# Altium PCB S7.PcbDoc (part 2 of 6)
Units mm, origin at the board's own origin, x right, y up, seen from the top; angles counter-clockwise.
Board outline 50 x 40 mm, 6 copper layers (Component Side, Inner1, Inner2, Inner3, Inner4, Solder Side), stack 0.696 mm thick; 260 components, 298 nets, 1407 pads, 891 vias.
Unrouted connection lines stored in the file: 262.
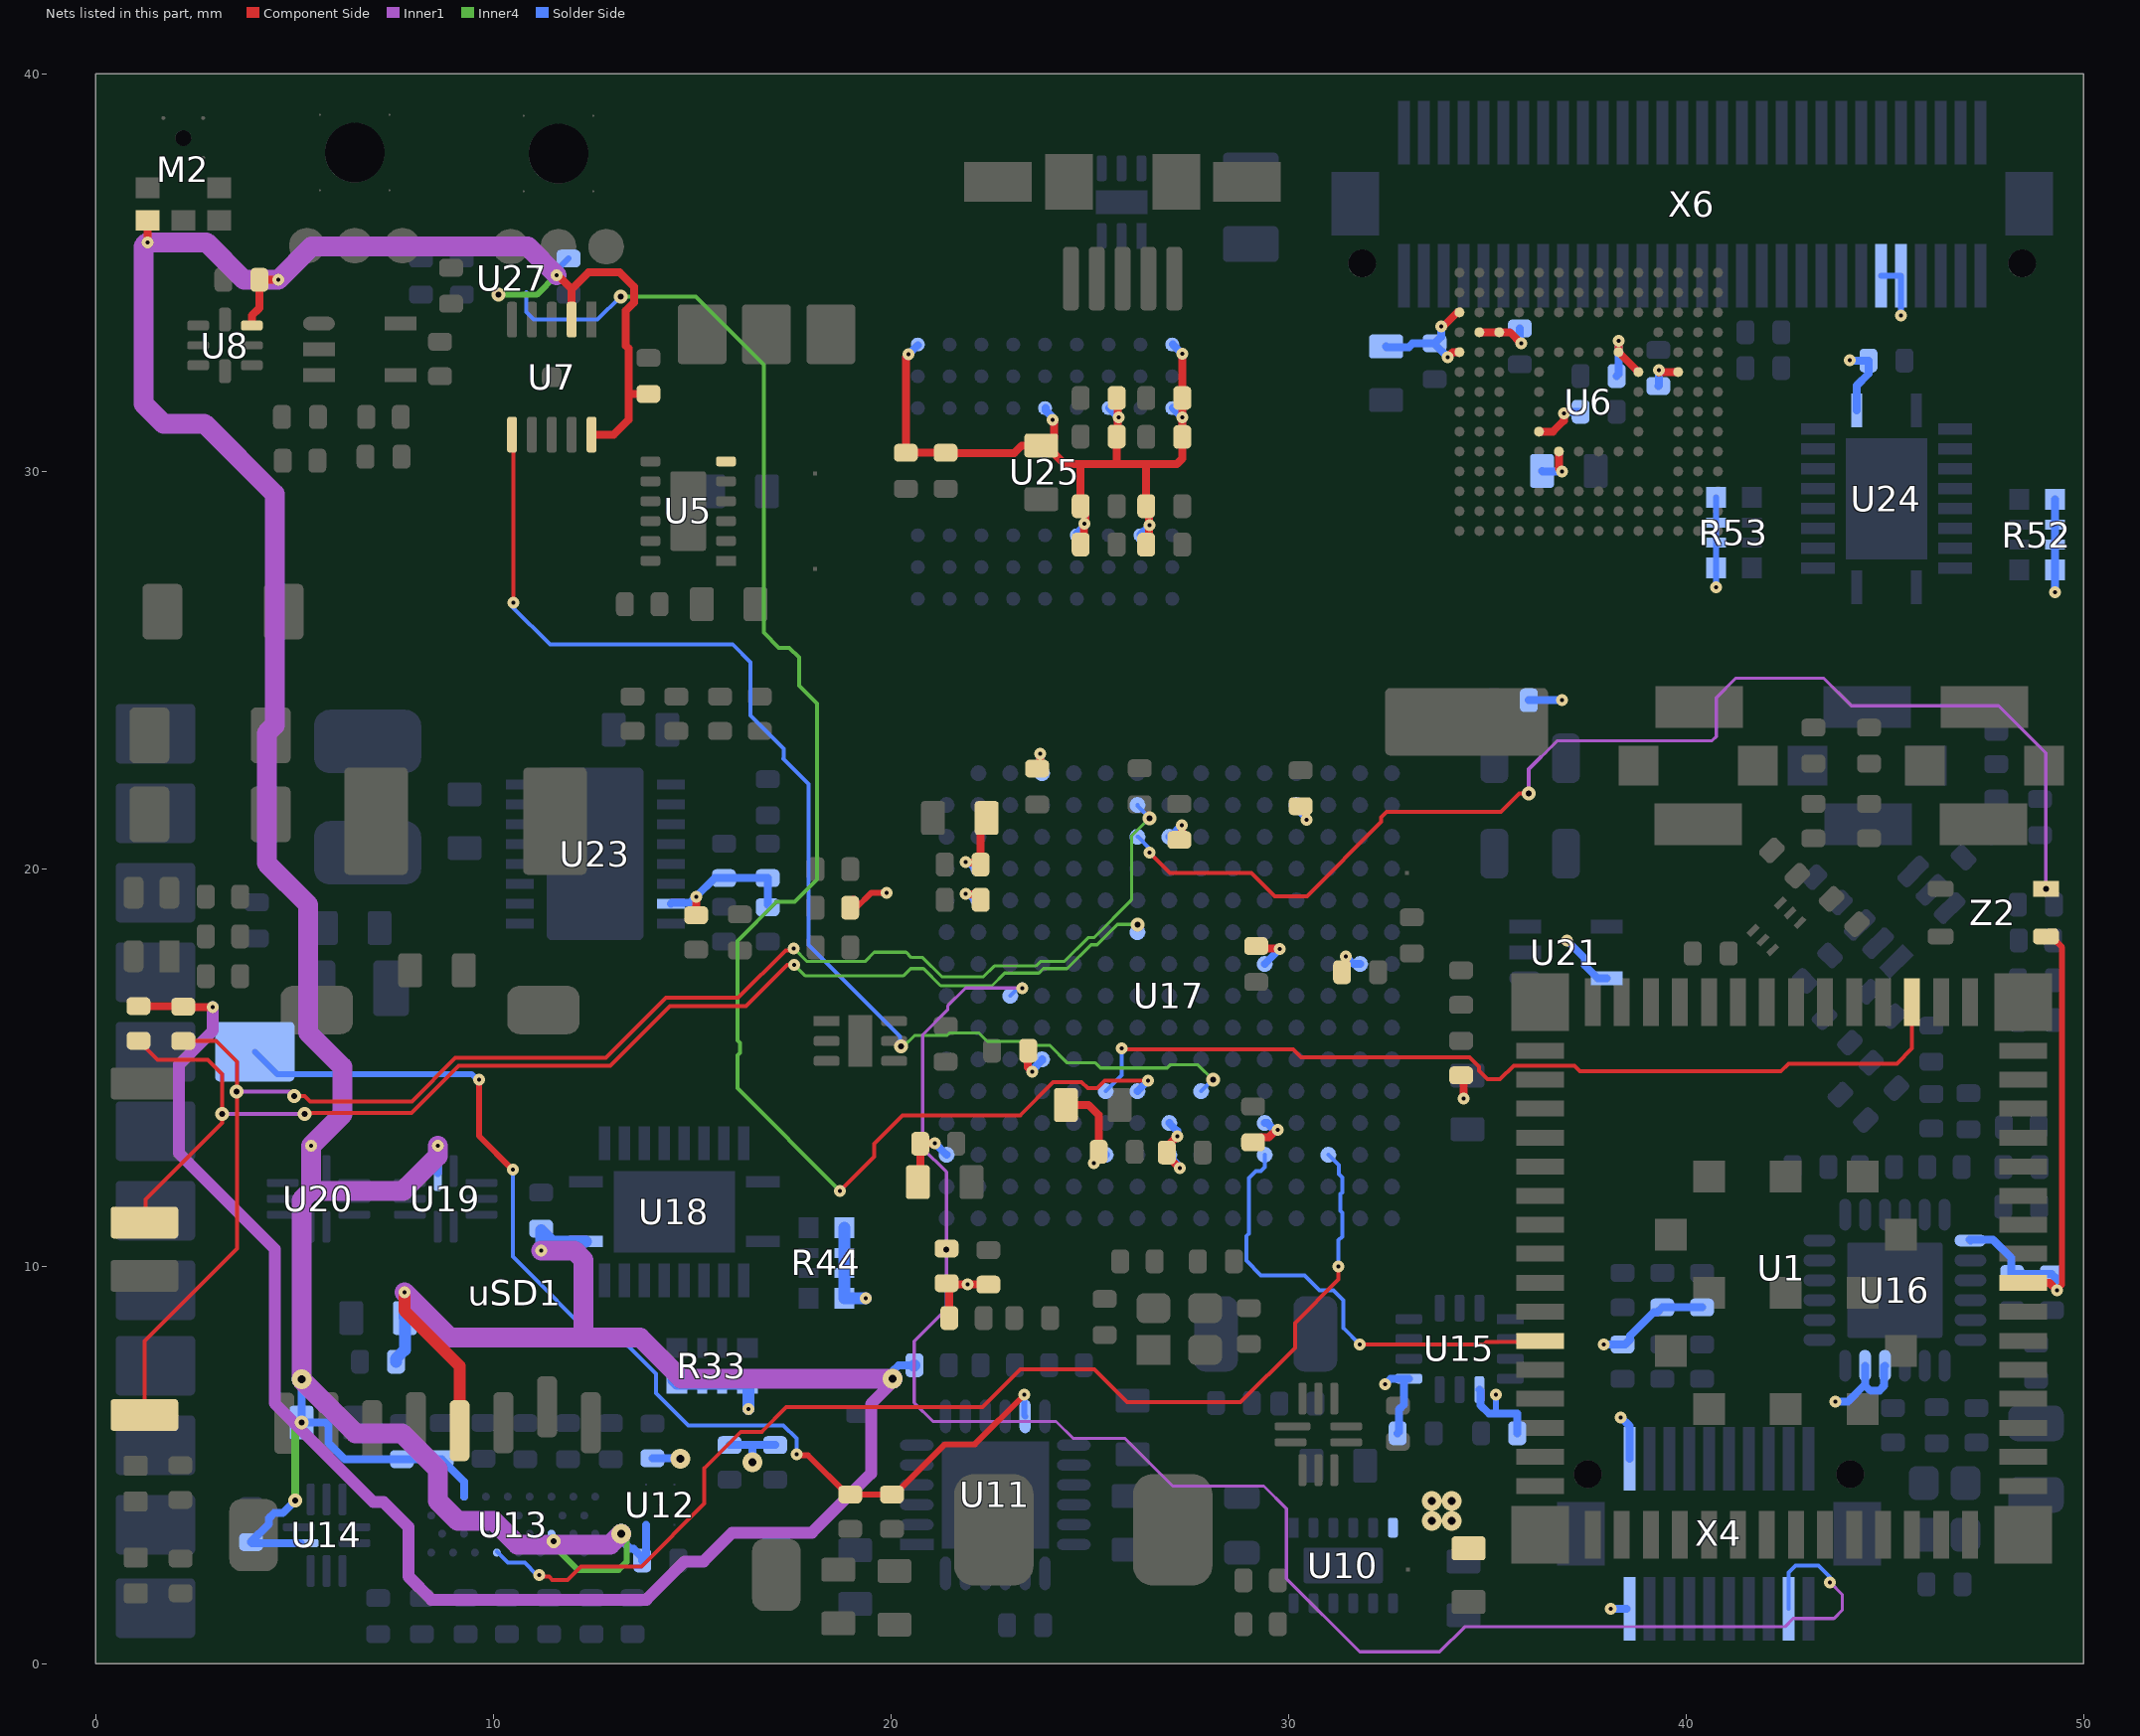
[diagram p6: the nets of this part, all layers, seen from the top]

## Footprints (in the part's own frame and the unit in brackets; to place one, negate y for a bottom-side part, rotate by r counter-clockwise, add the part's x,y. Pads: shape width x height; smd on the part's side, far side on the other; paste and mask are expansions set on the pad) (continued)
SKY13351-378LF [mm] "Skyworks  KY13351-378LF 1x1 mm"
  rect 0.33x0.15 smd mask+0.05: 1(-0.485,0.35) 2(-0.485,0) 3(-0.485,-0.35) 4(0.485,-0.35) 5(0.485,0) 6(0.485,0.35)
  Component Side region: -0.252,-0.102 -0.097,-0.257 -0.081,-0.282 -0.075,-0.311 -0.075,-0.311 -0.075,-0.311 -0.075,-0.58 0.075,-0.58 0.075,-0.326 0.075,-0.326 0.081,-0.297 0.097,-0.272 0.097,-0.272 0.108,-0.263 0.124,-0.238 0.13,-0.209 0.13,-0.209 0.13,-0.215 0.13,0.215 0.13,0.209 0.124,0.238 0.108,0.263 0.108,0.263 0.097,0.272 0.081,0.297 0.075,0.326 0.075,0.326 0.075,0.326 0.075,0.58 -0.075,0.58 -0.075,0.311 -0.075,0.311 -0.081,0.282 -0.097,0.257 -0.097,0.257 -0.252,0.102 -0.253,0.102 -0.278,0.082 -0.31,0.075 -0.31,0.075 -0.31,0.075 -0.355,0.075 -0.355,-0.075 -0.31,-0.075 -0.31,-0.075 -0.278,-0.082 -0.252,-0.102
  silkscreen extent -1.01,0.28 -0.86,0.43, body extent -0.5,-0.5 0.5,0.5, height 0.5
SOD-123 [mm] "SODFL, 2-Leads, Body 1.55x3.70mm, IPC Medium Density"
  rrect25% 1x1.4 smd mask+0.05: 1(-1.5,0) 2(1.55,0)
  silkscreen extent -2.2,-0.65 -2.2,0.65, body extent -1.87,-0.85 1.83,0.85, height 1.35
SOD-323 [mm]
  rrect50% 1.25x0.7 smd mask+0.05: 1(-1.2,0) 2(1.2,0)
  silkscreen extent -2.02,-0.3 -2.02,0.3, body extent -1.27,-0.73 1.33,0.72, height 1.16
"SOT-353 ON Semi" [mm] "SOT23, 5-Leads, Body 2.2x2.2mm (max), Pitch 0.65mm, IPC Medium Density"
  oval 0.8x0.35 smd mask+0.05: 1(-1.025,0.65)
  rect 0.8x0.35 smd mask+0.05: 2(-1.025,0) 3(-1.025,-0.65) 4(1.025,-0.65) 5(1.025,0.65)
  silkscreen extent -1.15,-1.1 0.5,1.47, body extent -0.67,-1.1 0.67,1.1, height 1.1
"TI S-PVQFN-N24" [mm] "S-PVQFN-N24"
  rect 0.85x0.28 smd mask+0.05: 1(-1.975,1.25)
  oval 0.85x0.28 smd mask+0.05: 2(-1.975,0.75) 3(-1.975,0.25) 4(-1.975,-0.25) 5(-1.975,-0.75) 6(-1.975,-1.25) 13(1.975,-1.25) 14(1.975,-0.75) 15(1.975,-0.25) 16(1.975,0.25) 17(1.975,0.75) 18(1.975,1.25)
  oval 0.28x0.85 smd mask+0.05: 7(-1.25,-1.975) 8(-0.75,-1.975) 9(-0.25,-1.975) 10(0.25,-1.975) 11(0.75,-1.975) 12(1.25,-1.975) 19(1.25,1.975) 20(0.75,1.975) 21(0.25,1.975) 22(-0.25,1.975) 23(-0.75,1.975) 24(-1.25,1.975)
  rect 2.7x2.7 smd paste-10 mask+0.05: 25(0,0)
  silkscreen extent -2.69,-2.03 2.03,2.03, body extent -2,-2 2,2, height 0.8
"TI S-PVSON-N10" [mm] "SON, 10-Leads, Body 3.00x3.00mm, Pitch 0.50mm, Thermal Pad 2.40x1.49mm, IPC Medium Density"
  rect 0.9x0.25 smd mask+0.06: 1(-1.445,1)
  rrect50% 0.9x0.25 smd mask+0.06: 2(-1.445,0.5) 3(-1.445,0) 4(-1.445,-0.5) 5(-1.445,-1) 6(1.445,-1) 7(1.445,-0.5) 8(1.445,0) 9(1.445,0.5) 10(1.445,1)
  rrect50% 0.5x0.5 smd mask+0.06: 11(0,0)
  Component Side region: -0.75,-1.55 0.75,-1.55 0.75,1.55 -0.75,1.55
  silkscreen extent -2.1,-1.68 1.67,1.73, body extent -1.6,-1.55 1.6,1.55, height 1
TI_PVQFN-N20 [mm]
  rect 0.85x0.28 smd mask+0.05: 1(-2.225,-0.75) 10(2.225,-0.75) 11(2.225,0.75) 20(-2.225,0.75)
  rect 0.28x0.85 smd mask+0.05: 2(-1.75,-1.725) 3(-1.25,-1.725) 4(-0.75,-1.725) 5(-0.25,-1.725) 6(0.25,-1.725) 7(0.75,-1.725) 8(1.25,-1.725) 9(1.75,-1.725) 12(1.75,1.725) 13(1.25,1.725) 14(0.75,1.725) 15(0.25,1.725) 16(-0.25,1.725) 17(-0.75,1.725) 18(-1.25,1.725) 19(-1.75,1.725)
  rect 3.05x2.05 smd paste-4 mask+0.05: PAD(0,0)
  silkscreen extent -2.6,-2.63 2.6,2.1, body extent -2.25,-1.75 2.25,1.75, height 1
UQFN-8 [mm] "TI UQFN-8 1.5x 1.5 mm"
  rrect50% 0.55x0.25 smd mask+0.05: 1(-0.675,0.5) 3(-0.675,-0.5) 5(0.675,-0.5) 7(0.675,0.5)
  rrect50% 0.55x0.2 smd mask+0.05: 2(-0.675,0) 6(0.675,0)
  rrect50% 0.3x0.6 smd mask+0.05: 4(0,-0.65) 8(0,0.65)
  silkscreen extent -0.97,0.93 -0.82,1.07, body extent -0.75,-0.75 0.75,0.75, height 0.5
UQFN-10 [mm]
  rrect50% 0.2x0.9 smd mask+0.05: 1(-0.2,-0.65)
  rrect50% 0.2x0.8 smd mask+0.05: 2(0.2,-0.7) 6(0.2,0.7) 7(-0.2,0.7)
  rrect50% 0.8x0.2 smd mask+0.05: 3(0.9,-0.4) 4(0.9,0) 5(0.9,0.4) 8(-0.9,0.4) 9(-0.9,0) 10(-0.9,-0.4)
  silkscreen extent -0.9,-1.05 0.9,0.7, body extent -0.9,-0.7 0.9,0.7, height 0.5
VQFN24 [mm] "Semtech 24 Leads, Body 4.0x4.0mm, Pitch 0.50mm, VQFN24"
  oval 0.8x0.3 smd mask+0.05: 1(-1.9,1.25) 2(-1.9,0.75) 3(-1.9,0.25) 4(-1.9,-0.25) 5(-1.9,-0.75) 6(-1.9,-1.25) 13(1.9,-1.25) 14(1.9,-0.75) 15(1.9,-0.25) 16(1.9,0.25) 17(1.9,0.75) 18(1.9,1.25)
  oval 0.3x0.8 smd mask+0.05: 7(-1.25,-1.9) 8(-0.75,-1.9) 9(-0.25,-1.9) 10(0.25,-1.9) 11(0.75,-1.9) 12(1.25,-1.9) 19(1.25,1.9) 20(0.75,1.9) 21(0.25,1.9) 22(-0.25,1.9) 23(-0.75,1.9) 24(-1.25,1.9)
  rrect5% 2.4x2.4 smd paste-2.5 mask+0.05: 25(0,0)
  Mechanical 15 keep-out lines w0.1: 2.5,-2.5 2.5,2.5 -2.5,2.5 -2.5,-2.5 2.5,-2.5
  silkscreen extent -2.27,-2.2 2.2,2.6, body extent -2,-2 2,2, height 1

## Part data
ACC1: "Coin, 4.8mm 3V Lithium Battery Rechargeable (Secondary) 1mAh", Manufacturer="Seiko Instruments", PartNum=728-1052-1-ND, Distributor=Digi-Key, PartName="ML414H IV01E"
BT1 BT2: "Tactile Switch SPST-NO Side Actuated Surface Mount, Right Angle", Manufacturer="Omron Electronics Inc-EMC Div", PartNum=SW1022CT-ND, Distributor=Digi-Key, PartName=B3U-3000P, Price=1$
C1 C2 C3 C27 C34 C43 C52 C56 C57 C60 C67 C83 C84 C102 C108 C109 C110 C117: library part GRT188R61C106KE13D, "10µF, ±10%, 16V, X5R, 0603 (1608 Metric), -55°C ~ 85°C, -, Automotive", Manufacturer="Murata Electronics North America", Operating Temperature="-55°C ~ 85°C", Package / Case="0603 (1608 Metric)", PartNum=490-12317-1-ND, Temperature Coefficient=X5R, Tolerance=±10%, Voltage - Rated=16V, Distributor=Digi-Key, Features=-, PartName=GRT188R61C106KE13D, Part Number=GRT188R61C106KE13D, Price=0.22770
C4 C5 C9 C10 C11 C12 C13 C14 C17 C19 C20 C21 C22 C26 C28 C29 C30 C31 C35 C36 C41 C45 C46 C48 C51 C63 C68 C71 C72 C77 C81 C82 C88 C99 C103 C112 C113 C114 C115 C116 C118 C119 C121 C123: library part 0402B104K500CT, "0.1µF, ±10%, 50V, X7R, 0402 (1005 Metric), -55°C ~ 125°C, -, General Purpose", Manufacturer="Walsin Technology Corporation", Operating Temperature="-55°C ~ 125°C", Package / Case="0402 (1005 Metric)", PartNum=1292-1176-1-ND, Temperature Coefficient=X7R, Tolerance=±10%, Voltage - Rated=50V, Distributor=Digi-Key, Features=-, PartName=0402B104K500CT, Part Number=0402B104K500CT, Price=0.19000
C6 C7: library part GCM1555C1H100FA16D, "10pF, ±1%, 50V, C0G, NP0, 0402 (1005 Metric), -55°C ~ 125°C, -, Automotive", Manufacturer="Murata Electronics North America", Operating Temperature="-55°C ~ 125°C", Package / Case="0402 (1005 Metric)", PartNum=490-14348-1-ND, Temperature Coefficient="C0G, NP0", Tolerance=±1%, Voltage - Rated=50V, Distributor=Digi-Key, Features=-, PartName=GCM1555C1H100FA16D, Part Number=GCM1555C1H100FA16D, Price=0.15000
C8 C15 C73 C93: library part GRM188R61A106ME69D, "10µF, ±20%, 10V, X5R, 0603 (1608 Metric), -55°C ~ 85°C, -, General Purpose", Manufacturer="Murata Electronics North America", Operating Temperature="-55°C ~ 85°C", Package / Case="0603 (1608 Metric)", PartNum=490-10475-1-ND, Temperature Coefficient=X5R, Tolerance=±20%, Voltage - Rated=10V, Distributor=Digi-Key, Features=-, PartName=GRM188R61A106ME69D, Part Number=GRM188R61A106ME69D, Price=0.07540
C16 C107: library part UMK107BJ104KAHT, "0.1µF, ±10%, 50V, X5R, 0603 (1608 Metric), -55°C ~ 85°C, -, Automotive", Manufacturer="Taiyo Yuden", Operating Temperature="-55°C ~ 85°C", Package / Case="0603 (1608 Metric)", PartNum=587-3504-1-ND, Temperature Coefficient=X5R, Tolerance=±10%, Voltage - Rated=50V, Distributor=Digi-Key, Features=-, PartName=UMK107BJ104KAHT, Part Number=UMK107BJ104KAHT, Price=0.05040
C18: library part CGA2B2X7R1H472K050BA, "4700pF, ±10%, 50V, X7R, 0402 (1005 Metric), -55°C ~ 125°C, -, Automotive", Manufacturer="TDK Corporation", Operating Temperature="-55°C ~ 125°C", Package / Case="0402 (1005 Metric)", PartNum=445-5607-1-ND, Temperature Coefficient=X7R, Tolerance=±10%, Voltage - Rated=50V, Distributor=Digi-Key, Features=-, PartName=CGA2B2X7R1H472K050BA, Part Number=CGA2B2X7R1H472K050BA, Price=0.10000
C23 C25: library part 500R07S0R2BV4T, "0.2pF, ±0.1pF, 50V, C0G, NP0, 0402 (1005 Metric), -55°C ~ 125°C, High Q, Low Loss, Ultra Low ESR, RF, Microwave, High Frequency", Manufacturer="Johanson Technology Inc.", Operating Temperature="-55°C ~ 125°C", Package / Case="0402 (1005 Metric)", PartNum=712-1160-1-ND, Temperature Coefficient="C0G, NP0", Tolerance=±0.1pF, Voltage - Rated=50V, Distributor=Digi-Key, Features="High Q, Low Loss, Ultra Low ESR", PartName=500R07S0R2BV4T, Part Number=500R07S0R2BV4T, Price=0.16000
C24: library part 500R07S4R7CV4T, "4.7pF, ±0.25pF, 50V, C0G, NP0, 0402 (1005 Metric), -55°C ~ 125°C, High Q, Low Loss, Ultra Low ESR, RF, Microwave, High Frequency", Manufacturer="Johanson Technology Inc.", Operating Temperature="-55°C ~ 125°C", Package / Case="0402 (1005 Metric)", PartNum=712-1287-1-ND, Temperature Coefficient="C0G, NP0", Tolerance=±0.25pF, Voltage - Rated=50V, Distributor=Digi-Key, Features="High Q, Low Loss, Ultra Low ESR", PartName=500R07S4R7CV4T, Part Number=500R07S4R7CV4T, Price=0.19000
C32 C33: library part GJM1555C1H1R0CB01D, "1pF, ±0.25pF, 50V, C0G, NP0, 0402 (1005 Metric), -55°C ~ 125°C, High Q, Low Loss, RF, Microwave, High Frequency", Manufacturer="Murata Electronics North America", Operating Temperature="-55°C ~ 125°C", Package / Case="0402 (1005 Metric)", PartNum=490-3083-1-ND, Temperature Coefficient="C0G, NP0", Tolerance=±0.25pF, Voltage - Rated=50V, Distributor=Digi-Key, Features="High Q, Low Loss", PartName=GJM1555C1H1R0CB01D, Part Number=GJM1555C1H1R0CB01D, Price=0.12000
C37 C38 C42 C47 C49: library part CL05B103KB5NNNC, "10000pF, ±10%, 50V, X7R, 0402 (1005 Metric), -55°C ~ 125°C, -, General Purpose", Manufacturer="Samsung Electro-Mechanics", Operating Temperature="-55°C ~ 125°C", Package / Case="0402 (1005 Metric)", PartNum=1276-1028-1-ND, Temperature Coefficient=X7R, Tolerance=±10%, Voltage - Rated=50V, Distributor=Digi-Key, Features=-, PartName=CL05B103KB5NNNC, Part Number=CL05B103KB5NNNC, Price=0.10000
C39 C44 C54 C55 C58 C59 C64 C65 C66 C74 C75 C76 C78 C79 C80 C111 C120 C122: library part TMK105BJ105MV-F, "1µF, ±20%, 25V, X5R, 0402 (1005 Metric), -55°C ~ 85°C, -, General Purpose", Manufacturer="Taiyo Yuden", Operating Temperature="-55°C ~ 85°C", Package / Case="0402 (1005 Metric)", PartNum=587-3245-1-ND, Temperature Coefficient=X5R, Tolerance=±20%, Voltage - Rated=25V, Distributor=Digi-Key, Features=-, PartName=TMK105BJ105MV-F, Part Number=TMK105BJ105MV-F, Price=0.22000
C40 C50: library part AC0402JRNPO9BN101, "100pF, ±5%, 50V, C0G, NP0, 0402 (1005 Metric), -55°C ~ 125°C, -, Automotive", Manufacturer=Yageo, Operating Temperature="-55°C ~ 125°C", Package / Case="0402 (1005 Metric)", PartNum=311-3023-1-ND, Temperature Coefficient="C0G, NP0", Tolerance=±5%, Voltage - Rated=50V, Distributor=Digi-Key, Features=-, PartName=AC0402JRNPO9BN101, Part Number=AC0402JRNPO9BN101, Price=0.10000
C53 C85: library part CC0402KRX7R8BB473, "0.047µF, ±10%, 25V, X7R, 0402 (1005 Metric), -55°C ~ 125°C, -, General Purpose", Manufacturer=Yageo, Operating Temperature="-55°C ~ 125°C", Package / Case="0402 (1005 Metric)", PartNum=311-1717-1-ND, Temperature Coefficient=X7R, Tolerance=±10%, Voltage - Rated=25V, Distributor=Digi-Key, Features=-, PartName=CC0402KRX7R8BB473, Part Number=CC0402KRX7R8BB473, Price=0.10000
C61 C62: library part 0402N120G500CT, "12pF, ±2%, 50V, C0G, NP0, 0402 (1005 Metric), -55°C ~ 125°C, -, General Purpose", Manufacturer="Walsin Technology Corporation", Operating Temperature="-55°C ~ 125°C", Package / Case="0402 (1005 Metric)", PartNum=1292-1250-1-ND, Temperature Coefficient="C0G, NP0", Tolerance=±2%, Voltage - Rated=50V, Distributor=Digi-Key, Features=-, PartName=0402N120G500CT, Part Number=0402N120G500CT, Price=0.10000
C69: library part GJM1555C1H100FB01D, "10pF, ±1%, 50V, C0G, NP0, 0402 (1005 Metric), -55°C ~ 125°C, High Q, Low Loss, RF, Microwave, High Frequency", Manufacturer="Murata Electronics North America", Operating Temperature="-55°C ~ 125°C", Package / Case="0402 (1005 Metric)", PartNum=490-11189-1-ND, Temperature Coefficient="C0G, NP0", Tolerance=±1%, Voltage - Rated=50V, Distributor=Digi-Key, Features="High Q, Low Loss", PartName=GJM1555C1H100FB01D, Part Number=GJM1555C1H100FB01D, Price=0.28000
C70: library part GRT155R61E474ME01D, "0.47µF, ±20%, 25V, X5R, 0402 (1005 Metric), -55°C ~ 85°C, -, Automotive", Manufacturer="Murata Electronics North America", Operating Temperature="-55°C ~ 85°C", Package / Case="0402 (1005 Metric)", PartNum=490-12270-1-ND, Temperature Coefficient=X5R, Tolerance=±20%, Voltage - Rated=25V, Distributor=Digi-Key, Features=-, PartName=GRT155R61E474ME01D, Part Number=GRT155R61E474ME01D, Price=0.13000
C86 C104 C105: library part 885392005011, "3.3pF, ±0.1pF, 50V, C0G, NP0, 0402 (1005 Metric), -55°C ~ 125°C, -, RF, Microwave, High Frequency", Manufacturer="Wurth Electronics Inc.", Operating Temperature="-55°C ~ 125°C", Package / Case="0402 (1005 Metric)", PartNum=732-13236-1-ND, Temperature Coefficient="C0G, NP0", Tolerance=±0.1pF, Voltage - Rated=50V, Distributor=Digi-Key, Features=-, PartName=885392005011, Part Number=885392005011, Price=0.10000
C87: library part GJM1555C1H470FB01D, "47pF, ±1%, 50V, C0G, NP0, 0402 (1005 Metric), -55°C ~ 125°C, High Q, Low Loss, RF, Microwave, High Frequency", Manufacturer="Murata Electronics North America", Operating Temperature="-55°C ~ 125°C", Package / Case="0402 (1005 Metric)", PartNum=490-16376-1-ND, Temperature Coefficient="C0G, NP0", Tolerance=±1%, Voltage - Rated=50V, Distributor=Digi-Key, Features="High Q, Low Loss", PartName=GJM1555C1H470FB01D, Part Number=GJM1555C1H470FB01D, Price=0.28000
C89 C96: library part GJM1555C1H390JB01D, "39pF, ±5%, 50V, C0G, NP0, 0402 (1005 Metric), -55°C ~ 125°C, High Q, Low Loss, RF, Microwave, High Frequency", Manufacturer="Murata Electronics North America", Operating Temperature="-55°C ~ 125°C", Package / Case="0402 (1005 Metric)", PartNum=490-17673-1-ND, Temperature Coefficient="C0G, NP0", Tolerance=±5%, Voltage - Rated=50V, Distributor=Digi-Key, Features="High Q, Low Loss", PartName=GJM1555C1H390JB01D, Part Number=GJM1555C1H390JB01D, Price=0.24000
C91: library part GJM1555C1H5R6BB01D, "5.6pF, ±0.1pF, 50V, C0G, NP0, 0402 (1005 Metric), -55°C ~ 125°C, High Q, Low Loss, RF, Microwave, High Frequency", Manufacturer="Murata Electronics North America", Operating Temperature="-55°C ~ 125°C", Package / Case="0402 (1005 Metric)", PartNum=490-11225-1-ND, Temperature Coefficient="C0G, NP0", Tolerance=±0.1pF, Voltage - Rated=50V, Distributor=Digi-Key, Features="High Q, Low Loss", PartName=GJM1555C1H5R6BB01D, Part Number=GJM1555C1H5R6BB01D, Price=0.19000
C92: library part GJM1555C1H1R8BB01D, "1.8pF, ±0.1pF, 50V, C0G, NP0, 0402 (1005 Metric), -55°C ~ 125°C, High Q, Low Loss, RF, Microwave, High Frequency", Manufacturer="Murata Electronics North America", Operating Temperature="-55°C ~ 125°C", Package / Case="0402 (1005 Metric)", PartNum=490-8089-1-ND, Temperature Coefficient="C0G, NP0", Tolerance=±0.1pF, Voltage - Rated=50V, Distributor=Digi-Key, Features="High Q, Low Loss", PartName=GJM1555C1H1R8BB01D, Part Number=GJM1555C1H1R8BB01D, Price=0.19000
C94 C97: library part C1005CH1H102J050BA, "1000pF, ±5%, 50V, CH, 0402 (1005 Metric), -25°C ~ 85°C, Low ESL, General Purpose", Manufacturer="TDK Corporation", Operating Temperature="-25°C ~ 85°C", Package / Case="0402 (1005 Metric)", PartNum=445-10829-1-ND, Temperature Coefficient=CH, Tolerance=±5%, Voltage - Rated=50V, Distributor=Digi-Key, Features="Low ESL", PartName=C1005CH1H102J050BA, Part Number=C1005CH1H102J050BA, Price=0.19000
C95: library part CBR04C229B5GAC, "2.2pF, ±0.1pF, 50V, C0G, NP0, 0402 (1005 Metric), -55°C ~ 125°C, High Q, Low Loss, RF, Microwave, High Frequency", Manufacturer=KEMET, Operating Temperature="-55°C ~ 125°C", Package / Case="0402 (1005 Metric)", PartNum=399-17527-1-ND, Temperature Coefficient="C0G, NP0", Tolerance=±0.1pF, Voltage - Rated=50V, Distributor=Digi-Key, Features="High Q, Low Loss", PartName=CBR04C229B5GAC, Part Number=CBR04C229B5GAC, Price=0.19000
C98: library part GJM1555C1H2R4BB01D, "2.4pF, ±0.1pF, 50V, C0G, NP0, 0402 (1005 Metric), -55°C ~ 125°C, High Q, Low Loss, RF, Microwave, High Frequency", Manufacturer="Murata Electronics North America", Operating Temperature="-55°C ~ 125°C", Package / Case="0402 (1005 Metric)", PartNum=490-8093-1-ND, Temperature Coefficient="C0G, NP0", Tolerance=±0.1pF, Voltage - Rated=50V, Distributor=Digi-Key, Features="High Q, Low Loss", PartName=GJM1555C1H2R4BB01D, Part Number=GJM1555C1H2R4BB01D, Price=0.19000
C101: library part GCM32EC71H106KA03K, "10µF, ±10%, 50V, X7S, 1210 (3225 Metric), -55°C ~ 125°C, -, Automotive", Manufacturer="Murata Electronics North America", Operating Temperature="-55°C ~ 125°C", Package / Case="1210 (3225 Metric)", PartNum=490-14535-1-ND, Temperature Coefficient=X7S, Tolerance=±10%, Voltage - Rated=50V, Distributor=Digi-Key, Features=-, PartName=GCM32EC71H106KA03K, Part Number=GCM32EC71H106KA03K, Price=0.64430
C106: library part 885012005059, "47pF, ±5%, 50V, C0G, NP0, 0402 (1005 Metric), -55°C ~ 125°C, -, General Purpose", Manufacturer="Wurth Electronics Inc.", Operating Temperature="-55°C ~ 125°C", Package / Case="0402 (1005 Metric)", PartNum=732-7473-1-ND, Temperature Coefficient="C0G, NP0", Tolerance=±5%, Voltage - Rated=50V, Distributor=Digi-Key, Features=-, PartName=885012005059, Part Number=885012005059, Price=0.10000
L1: "2.2 uH, 4.2 A, 50 mOhms, +-20%,-55.. +125 C", Manufacturer="Vishay Dale", PartNum=541-1088-1-ND, Tolerance=±20%, Distributor=Digi-Key, PartName=IHLP2020BZER2R2M01
L2 L8: "Inductors 2.2 uH, 1.8 A, 0.066 Ohms, ±20% -40°C ~ 125°C, 2.8 x 2.8 mm", Manufacturer="Wurth Electronics Inc", PartNum=732-2613-1-ND, Tolerance=±20%, Distributor=Digi-Key, PartName=744025002
L3 L5: "100nH, ±5%, 200 мА, 2 Ohm, 0402, -55..+125 C", Manufacturer="TDK Corporation", PartNum=445-3071-1-ND, Tolerance=±5%, Distributor=Digi-Key, PartName=MLG1005SR10JT000
L4: "Inductors 6.8 uH, 3.5 A, 0.072 Ohms, ±20% -55°C ~ 155°C, 5.5 x 5 mm", Manufacturer="Panasonic Electronic Components", PartNum=P19756CT-ND, Tolerance=±20%, Distributor=Digi-Key, PartName=ETQ-P3M6R8KVP
L6 L7: "2.2nH ±0.1nH, Q=13 @ 500MHz, 6GHz, Inductor 220mA 300 mOhm Max, -40°C ~ 85°C, 0402", Manufacturer="Murata Electronics North America", PartNum=490-1128-1-ND, Tolerance=±0.1nH, Distributor=Digi-Key, PartName=LQP15MN2N2B02D
L9: "15µH Shielded Multilayer Inductor 250mA 950 mOhm 0805 (2012 Metric)", Manufacturer="TDK Corporation", PartNum=445-6397-1-ND, Tolerance=±20%, Distributor=Digi-Key, PartName=MLZ2012M150WT000, Price=0.14$
L10: "10 Ohms @ 100MHz 1 Power Line Ferrite Bead 0402 (1005 Metric) 1A 25 mOhm", Manufacturer="Murata Electronics North America", PartNum=490-5976-1-ND, Distributor=Digi-Key, PartName=BLM15PG100SN1D, Price=0.12$
L11: "0 Ohms Jumper 0.063W, 1/16W Chip Resistor 0402 (1005 Metric) Automotive AEC-Q200 Thick Film", Manufacturer="Vishay Dale", PartNum=490-6772-1-ND, Distributor=Digi-Key, PartName=CRCW04020000Z0ED
L12: "15nH Unshielded Wirewound Inductor 460mA 160 mOhm Max 0402 (1006 Metric)", Manufacturer=Murata, PartNum=490-6772-1-ND, Tolerance=±3%, Distributor=Digi-Key, PartName=LQW15AN15NH00D
L13: "47nH Unshielded Wirewound Inductor 210mA 1.08 Ohm Max 0402 (1005 Metric)", Manufacturer=Murata, PartNum=490-1154-1-ND, Tolerance=±5%, Distributor=Digi-Key, PartName=LQW15AN47NJ00D
L14: "2.5nH Unshielded Wirewound Inductor 850mA 50 mOhm Max 0402 (1006 Metric)", Manufacturer=Murata, PartNum=490-6798-1-ND, Tolerance=±0.2nH, Distributor=Digi-Key, PartName=LQW15AN2N5C00D
L15: "4.7nH Unshielded Wirewound Inductor 750mA 70 mOhm Max 0402 (1006 Metric)", Manufacturer="Murata Electronics North America", PartNum=490-1139-1-ND, Tolerance=±0.2nH, Distributor=Digi-Key, PartName=LQW15AN4N7C00D
L16 L18: "FERRITE BEAD 600 OHM, 0805, -55°C ~ 125°C", Manufacturer="TDK Corporation", PartNum=445-2206-1-ND, Distributor=Digi-Key, PartName=MPZ2012S601AT000, Price=0.05$
L17: "9.1nH Unshielded Wirewound Inductor 540mA 140 mOhm Max 0402 (1006 Metric)", Manufacturer="Murata Electronics North America", PartNum=490-8444-1-ND, Tolerance=±3%, Distributor=Digi-Key, PartName=LQW15AN9N1H00D
LED1: "Green-Yellow 569nm LED Indication - Discrete 1.9V 0402 (1006 Metric)", Manufacturer="Rohm Semiconductor", PartNum=846-1211-1-ND, Distributor=Digi-Key, PartName=SML-P11MTT86R
LED2: "Red 621nm LED Indication - Discrete 1.8V 0402 (1006 Metric)", Manufacturer="Rohm Semiconductor", PartNum=SML-P11UTT86RCT-ND, Distributor=Digi-Key, PartName=SML-P11UTT86R
LED3: "Red, Green, Blue (RGB) LED Indication - Discrete 1.95V Red, 2.9V Green, 2.8V Blue 0606 (1616 Metric)", Manufacturer=Dialight, PartNum=350-4396-1-ND, Distributor=Digi-Key, PartName=5977715607F, Price=0.74$
M1: "100Hz ~ 5.5kHz Analog Microphone Electret Condenser 0.9V ~ 10V Omnidirectional (-53dB ±2dB @ 74dB SPL) Solder Pads", Manufacturer=Knowles, PartNum=423-1121-ND, Distributor=Digi-Key, PartName=EK-23024-C36, Price=19.3$
M2: "60Hz ~ 20kHz Digital, I?S Microphone MEMS (Silicon) 1.65V ~ 3.63V Omnidirectional (-26 ±1dB @ 94dB SPL) Solder Pads", Manufacturer="TDK InvenSense", PartNum=1428-1066-1-ND, Distributor=Digi-Key, PartName=ICS-43434
M3 M4: "25Hz ~ 20kHz Analog Microphone MEMS (Silicon) 1.5V ~ 3.63V Noise Cancelling (-32dB ±2dB @ 124dB SPL) Solder Pads", Manufacturer="TDK InvenSense", PartNum=1428-1141-1-ND, Distributor=Digi-Key, PartName=ICS-40730
P_MIC1 P_MIC2 P_MIC_BIAS1 P_MIC_GND1 P_NTC1 P_PWR_+1 P_PWR_GND1 P_USB_GND1 P_USB_N1 P_USB_P1 P_USB_VBUS1 P_VBAT1 P_VBAT_GND1: "Pin on TOP layer 1.5 x 2 mm"
R1 R4 R43: library part RMCF0402FT510R, "510 Ohms, ±1%, 0.063W, 1/16W, Thick Film, ±100ppm/°C, 0402 (1005 Metric), -55°C ~ 155°C, Automotive AEC-Q200", Manufacturer="Stackpole Electronics Inc", Operating Temperature="-55°C ~ 155°C", Package / Case="0402 (1005 Metric)", PartNum=RMCF0402FT510RCT-ND, Power (Watts)="0.063W, 1/16W", Temperature Coefficient=±100ppm/°C, Tolerance=±1%, Voltage=75V, Distributor=Digi-Key, Features="Automotive AEC-Q200", PartName=RMCF0402FT510R, Part Number=RMCF0402FT510R, Price=0.10000
R2 R7 R8 R9 R11 R12 R17 R18 R19 R20 R22 R23 R29 R32 R34 R35: library part RMCF0402FT10K0, "10 kOhms, ±1%, 0.063W, 1/16W, Thick Film, ±100ppm/°C, 0402 (1005 Metric), -55°C ~ 155°C, Automotive AEC-Q200", Manufacturer="Stackpole Electronics Inc", Operating Temperature="-55°C ~ 155°C", Package / Case="0402 (1005 Metric)", PartNum=RMCF0402FT10K0CT-ND, Power (Watts)="0.063W, 1/16W", Temperature Coefficient=±100ppm/°C, Tolerance=±1%, Voltage=75V, Distributor=Digi-Key, Features="Automotive AEC-Q200", PartName=RMCF0402FT10K0, Part Number=RMCF0402FT10K0, Price=0.10000
R3 R16 R21 R26: library part RMCF0402FT100K, "100 kOhms, ±1%, 0.063W, 1/16W, Thick Film, ±100ppm/°C, 0402 (1005 Metric), -55°C ~ 155°C, Automotive AEC-Q200", Manufacturer="Stackpole Electronics Inc", Operating Temperature="-55°C ~ 155°C", Package / Case="0402 (1005 Metric)", PartNum=RMCF0402FT100KCT-ND, Power (Watts)="0.063W, 1/16W", Temperature Coefficient=±100ppm/°C, Tolerance=±1%, Voltage=75V, Distributor=Digi-Key, Features="Automotive AEC-Q200", PartName=RMCF0402FT100K, Part Number=RMCF0402FT100K, Price=0.10000
R5: library part RMCF0402FT5K60, "5.6 kOhms, ±1%, 0.063W, 1/16W, Thick Film, ±100ppm/°C, 0402 (1005 Metric), -55°C ~ 155°C, Automotive AEC-Q200", Manufacturer="Stackpole Electronics Inc", Operating Temperature="-55°C ~ 155°C", Package / Case="0402 (1005 Metric)", PartNum=RMCF0402FT5K60CT-ND, Power (Watts)="0.063W, 1/16W", Temperature Coefficient=±100ppm/°C, Tolerance=±1%, Voltage=75V, Distributor=Digi-Key, Features="Automotive AEC-Q200", PartName=RMCF0402FT5K60, Part Number=RMCF0402FT5K60, Price=0.10000
R6: library part RMCF0402FT8K20, "8.2 kOhms, ±1%, 0.063W, 1/16W, Thick Film, ±100ppm/°C, 0402 (1005 Metric), -55°C ~ 155°C, Automotive AEC-Q200", Manufacturer="Stackpole Electronics Inc", Operating Temperature="-55°C ~ 155°C", Package / Case="0402 (1005 Metric)", PartNum=RMCF0402FT8K20CT-ND, Power (Watts)="0.063W, 1/16W", Temperature Coefficient=±100ppm/°C, Tolerance=±1%, Voltage=75V, Distributor=Digi-Key, Features="Automotive AEC-Q200", PartName=RMCF0402FT8K20, Part Number=RMCF0402FT8K20, Price=0.10000
R10: library part RMCF0402FT2K20, "2.2 kOhms, ±1%, 0.063W, 1/16W, Thick Film, ±100ppm/°C, 0402 (1005 Metric), -55°C ~ 155°C, Automotive AEC-Q200", Manufacturer="Stackpole Electronics Inc", Operating Temperature="-55°C ~ 155°C", Package / Case="0402 (1005 Metric)", PartNum=RMCF0402FT2K20CT-ND, Power (Watts)="0.063W, 1/16W", Temperature Coefficient=±100ppm/°C, Tolerance=±1%, Voltage=75V, Distributor=Digi-Key, Features="Automotive AEC-Q200", PartName=RMCF0402FT2K20, Part Number=RMCF0402FT2K20, Price=0.10000